# KiCad board 75he.kicad_pcb (continued)
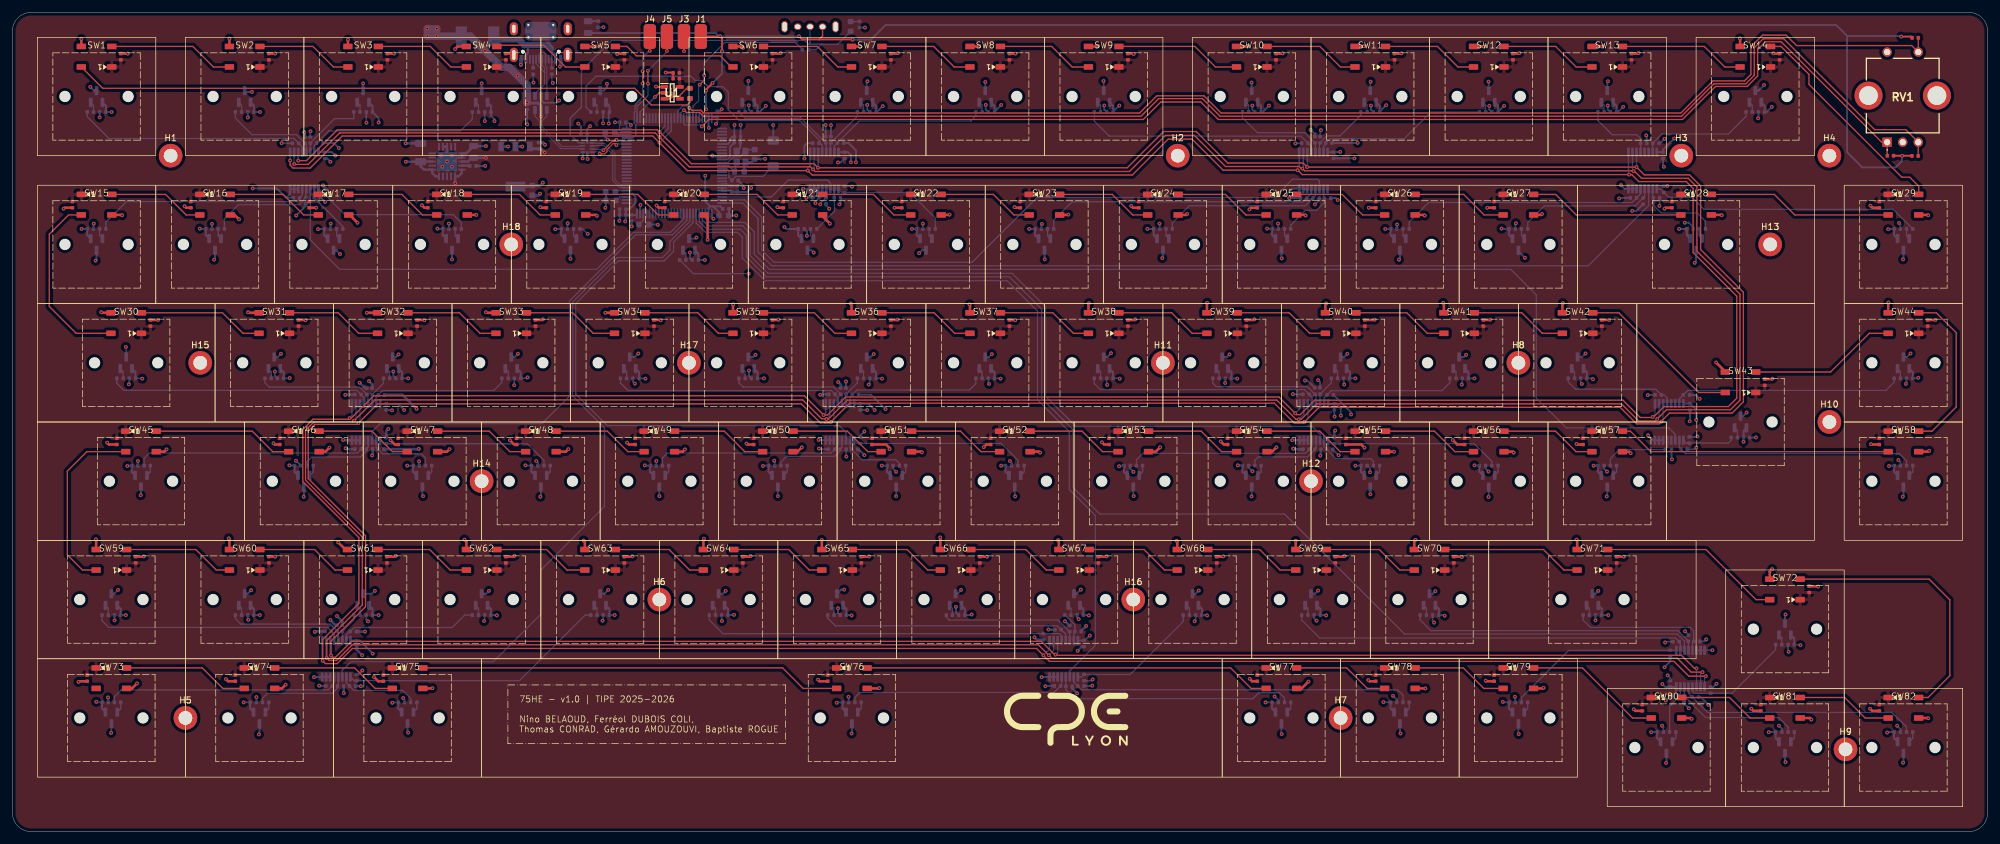
[diagram p0: board, top side]
## Routing (per net, layer and track width the routed paths; a pad name or vN(x,y) marks a point on that pad's centre or on a via; arc(x,y) is an arc through that point) (continued)
  Bottom w0.4: C197.1 65.62,107.07 66.16,106.53 U5.1 67.5,105.97 68.02,105.45 U5.20 ; C197.1 v1(63.24,107.8) ; C197.1 65.66,107.83 U5.3 ; 65.39,107.83 65.38,107.85
+5V: length 40.9
  Bottom w0.4: v1(76.12,108.43) C198.1 73.85,108.43 ; U5.13 73.25,107.83 73.85,108.43 ; v1(71.17,104.34) U5.16 71.73,105.45 72.25,105.97 U5.15 ; 73.85,108.43 74.67,108.43
  Bottom w0.5: C21.1 82.77,117.24 84.51,117.24 84.96,116.79 U4.5 ; U6.3 83.55,109.88 C200.1 84.98,109.88 v1(85.58,109.29)
  Bottom w0.6: v1(84.97,115.06) 84.96,115.07 U4.5
  Bottom w1.2: 82.75,117.29 v1(82.75,117.34) 82.75,120.11 v1(81.22,121.64) 79.88,122.99 78.62,122.99 v1(75.97,125.64) 73.6,128.01 F1.1 v1(68.19,128.01) ; v1(68.19,128.01) 66.71,128.01 v1(66.7,128.01) v1(66.7,129.23) 66.72,129.21 v1(68.22,129.21) 68.19,129.18 v1(68.19,128.01)
/MCU/V12PHYHS: length 1.9
  Bottom w0.2: C15.1 97.12,103.14 U2.55
GND: length 724.1
  Top w0.2: v1(107.98,125.59) J3.1
  Top w0.3: v1(103.48,119.89) 103.52,119.84 U1.1 ; v1(105.02,122.15) 106.17,122.15 C11.2 C10.2 ; U1.3 105.73,117.94 106.02,118.24 v1(106.02,118.74)
  Top w0.4: v1(20.03,23.84) 19.22,23.04 D73.3 ; v1(208.38,24.14) 207.28,23.04 D77.3 ; v1(50.97,61.79) 50.33,61.14 D46.3 ; C261.2 232.3,62.29 v1(231.57,63.01) ; D5.3 93.76,126.35 v1(93.77,126.34) ; v1(225.58,46.94) 225.39,46.75 D70.3 ; v1(207.92,99.15) 207.83,99.24 D25.3 ; 58.7,83.49 v1(56.97,83.49) ; v1(65.83,100.79) 66.22,100.39 C233.2 ; D30.3 14.38,83.49 v1(14.28,83.59) ; C283.2 85.17,82.34 v1(85.27,82.44) ; v1(198.88,100.12) 199.15,100.39 C227.2 ; D36.3 134.9,84.86 v1(134.78,84.99) ; C263.2 61.47,44.24 v1(61.62,44.39) ; v1(139.38,23.09) 139.33,23.04 D76.3 ; C255.2 21.07,44.24 v1(21.13,44.29) ; D49.3 107.76,61.14 v1(108.12,61.5) ; v1(84.88,100.49) 84.97,100.39 C232.2 ; v1(308.18,61.29) 308.03,61.14 D58.3 ; v1(142.33,82.39) 142.28,82.34 C275.2 ; v1(13.43,47.04) 13.46,47.01 D59.3 ; D72.3 282.54,41.85 v1(282.93,42.24) ; C234.2 v1(48.83,100.39) ; v1(233.03,44.19) 232.98,44.24 C272.2 ; C274.2 123.12,82.34 v1(123.17,82.39) ; C247.2 99.62,44.24 v1(99.67,44.29) ; C243.2 8.38,100.39 v1(8.22,100.24) ; v1(273.93,75.49) 275.39,74.02 D43.3 ; D15.3 17.57,99.24 v1(17.63,99.19) ; D11.3 217.24,126.35 v1(217.28,126.39) ; C218.2 260.94,19.42 v1(260.68,19.69) ; v1(194.28,62.79) 194.78,62.29 C258.2 ; v1(24.78,61.51) 24.4,61.14 D45.3 ; v1(76.12,83.59) 76.22,83.49 D33.3 ; v1(265.62,100.24) 265.78,100.39 C249.2 ; v1(150.68,99.29) 150.62,99.24 D22.3 ; v1(53.94,127.44) D3.3 ; C238.2 194.62,44.24 v1(194.68,44.29) ; C217.2 279.92,19.42 v1(279.57,19.77) ; v1(175.18,62.64) 175.53,62.29 C250.2 ; C256.2 299.07,100.39 v1(298.73,100.73) ; D67.3 168.24,46.77 v1(168.12,46.89) ; C262.2 137.68,44.24 v1(137.73,44.29) ; v1(246.18,23.14) 246.07,23.04 D79.3 ; C277.2 180.43,82.34 v1(180.53,82.44) ; D23.3 169.73,99.24 v1(169.78,99.29) ; C251.2 140.47,62.29 141.03,61.73 v1(141.03,61.54) ; v1(36.42,98.54) 35.72,99.24 D16.3 ; v1(155.43,126.44) 155.34,126.35 D8.3 ; v1(58.12,24.88) 58.82,24.19 C224.2 ; v1(126.92,61.84) 126.23,61.14 D50.3 ; v1(41.97,62.49) 42.17,62.29 C260.2 ; D26.3 226.98,99.24 v1(227.08,99.14) ; C214.2 251.57,62.29 v1(251.48,62.39) ; J2.S1 80.41,125.2 C205.2 ; C245.2 156.58,62.29 v1(156.18,61.88) ; v1(308.03,99.19) 307.98,99.24 D29.3 ; C278.2 199.58,82.34 v1(199.68,82.44) ; C237.2 15.53,62.29 v1(15.22,62.59) ; v1(123.52,125.29) 123.44,125.2 C207.2 ; D10.3 198.49,126.35 v1(198.53,126.39) ; v1(103.57,100.75) 103.93,100.39 C231.2 ; v1(241.38,60.99) 241.23,61.14 D56.3 ; D75.3 67.47,23.04 v1(67.52,23.09) ; v1(118.02,62.44) 118.17,62.29 C259.2 ; C225.2 129.78,24.19 v1(129.53,24.44) ; D37.3 153.95,84.76 v1(153.88,84.84) ; v1(42.24,125.21) 42.24,125.2 C203.2 ; v1(301.62,85.14) 301.59,85.1 D44.3 ; v1(34.89,127.6) D2.3 ; v1(47.12,82.29) 47.08,82.34 C281.2 ; D47.3 69.88,61.14 v1(70.27,61.54) ; v1(236.88,24.29) 236.98,24.19 C219.2 ; v1(198.93,24.59) 199.33,24.19 C222.2 ; v1(260.18,60.89) 259.93,61.14 D57.3 ; v1(179.88,100.69) 180.18,100.39 C228.2 ; D48.3 88.97,61.14 v1(89.38,61.54) ; v1(130.12,46.94) 130.14,46.92 D65.3 ; v1(184.53,61.84) 183.83,61.14 D53.3 ; v1(131.43,97.84) 130.28,98.99 D21.3 ; v1(174.53,126.44) 174.44,126.35 D9.3 ; v1(97.22,125.14) 97.29,125.2 C206.2 ; v1(161.12,100.49) 161.23,100.39 C220.2 ; C244.2 80.68,62.29 v1(79.97,62.99) ; v1(180.28,125.14) 180.21,125.2 C210.2 ; C211.2 204.19,125.2 v1(204.23,125.24) ; v1(261.43,125.29) 261.34,125.2 C266.2 ; v1(309.18,82.34) C241.2 ; C253.2 216.88,62.29 v1(217.38,61.79) ; D19.3 93.83,99.24 v1(93.97,99.09) ; D4.3 71.59,126.35 v1(71.17,125.94) ; C270.2 290.29,39.47 v1(290.32,39.44) ; C276.2 161.18,82.34 v1(161.23,82.29) ; v1(43.92,23.64) 43.33,23.04 D74.3 ; D7.3 136.26,126.35 v1(136.28,126.34) ; v1(104.23,82.29) 104.17,82.34 C273.2 ; v1(52.38,46.54) 53.52,45.39 D61.3 ; v1(214.18,44.34) 214.08,44.24 C265.2 ; v1(165.23,60.99) 165.08,61.14 D52.3 ; v1(91.83,46.84) 92.04,46.62 D63.3 ; D71.3 251.58,46.88 v1(251.48,46.99) ; D38.3 173,84.96 v1(173.08,85.04) ; C271.2 v1(259.07,44.24) ; C236.2 99.12,62.29 v1(98.83,62.59) ; v1(188.88,99.39) 188.73,99.24 D24.3 ; v1(60.77,62.99) 61.48,62.29 C252.2 ; D6.3 117.25,126.35 v1(117.48,126.12) ; D20.3 111.77,98.69 v1(111.77,95.24) ; v1(34.33,24.54) 34.67,24.19 C223.2 ; D31.3 37.97,83.49 v1(37.88,83.59) ; v1(72.67,46.99) 72.99,46.67 D62.3 ; D42.3 249.2,84.96 v1(249.28,85.04) ; D68.3 187.29,46.67 v1(187.18,46.79) ; v1(111.17,47.14) 111.09,47.05 D64.3 ; D40.3 211.1,84.86 v1(211.23,84.99) ; v1(255.57,126.35) D13.3 ; C221.2 218.18,24.19 v1(217.98,24.39) ; C248.2 80.58,44.24 v1(80.72,44.39) ; v1(237.62,82.39) 237.57,82.34 C279.2 ; v1(146.23,61.04) 146.12,61.14 D51.3 ; v1(289.23,18.04) 288.99,18.27 D81.3 ; v1(10.63,24.09) 10.72,24.19 C264.2 ; v1(142.38,125.29) 142.29,125.2 C208.2 ; v1(27.68,100.64) 27.93,100.39 C242.2 ; v1(277.73,127.64) 277.78,127.59 D14.3 ; v1(236.57,126.34) 236.56,126.35 D12.3 ; D34.3 v1(95.33,83.49) ; D80.3 269.84,18.27 v1(269.98,18.14) ; C268.2 v1(256.73,82.34) ; v1(206.33,46.79) 206.34,46.77 D69.3 ; v1(66.22,82.29) 66.17,82.34 C282.2 ; v1(149.18,47.34) 149.19,47.32 D66.3 ; v1(308.03,18.24) 307.99,18.27 D82.3 ; v1(18.54,125.2) C202.2 ; D17.3 54.22,99.24 v1(55.47,97.99) ; v1(34.78,47.19) 34.89,47.07 D60.3 ; v1(283.12,125.24) 283.16,125.2 C267.2 ; C216.2 299.02,19.42 v1(298.68,19.77) ; 230.15,83.49 230.15,84.96 v1(230.03,85.09) ; v1(298.82,62.34) 298.88,62.29 C215.2 ; D1.3 v1(11.07,127.55) ; C235.2 218.98,82.34 v1(219.03,82.39) ; v1(274.82,99.19) 274.78,99.24 D28.3 ; C226.2 v1(218.08,100.39) ; C280.2 v1(23.43,82.34) ; v1(61.34,125.2) C204.2 ; D39.3 192.05,85.06 v1(192.08,85.09) ; C246.2 175.88,44.24 v1(175.93,44.29) ; C229.2 v1(141.83,100.39) ; v1(161.28,125.19) 161.26,125.2 C209.2 ; D55.3 v1(222.12,61.14) ; C254.2 v1(156.68,44.24) ; v1(223.33,125.24) 223.29,125.2 C212.2 ; v1(203.23,61.84) 202.53,61.14 D54.3 ; v1(122.98,100.49) 123.08,100.39 C230.2 ; v1(115.87,84.84) 115.85,84.81 D35.3 ; v1(242.28,125.29) 242.19,125.2 C213.2 ; C239.2 118.58,44.24 v1(118.67,44.34) ; v1(282.98,72.89) 282.9,72.81 C269.2 ; D78.3 v1(227.18,23.04) ; C240.2 v1(42.22,44.24) ; v1(245.93,99.39) 245.78,99.24 D27.3 ; C257.2 v1(237.12,100.39) ; D18.3 v1(74.58,99.24)
  Bottom w0.2: R7.1 86.72,120.64 v1(86.88,120.49) ; U2.74 97.91,112.64 97.62,112.93 C5.2 ; 50.96,25.05 50.96,25.05 ; 207.59,103.33 207.59,103.52 207.67,103.52 ; v1(83.77,120.54) 83.72,120.59 R8.1 ; 55.74,63.16 55.74,63.11 ; 261.07,102.94 261.08,102.94
  Bottom w0.3: K36.3 138.01,76.37 v1(138.48,76.84) ; v1(243.18,92.34) 242.12,93.39 K27.3 ; C110.1 215.23,67.45 v1(215.23,67.14) ; C27.1 237.45,116.21 v1(237.45,116.78) ; v1(37.92,34.09) 37.84,34.17 C90.1 ; 32.17,97.89 v1(32.08,97.79) C155.1 ; K60.3 37.81,38.27 v1(38.38,38.84) ; v1(118.42,74.19) 118.42,73.31 C137.1 ; v1(265.82,21.09) 266.6,21.86 C183.1 ; v1(16.97,38.89) 16.36,38.27 K59.3 ; K35.3 119.11,76.37 v1(119.48,76.74) ; C136.1 303.54,97.72 v1(303.32,97.94) ; v1(47.92,112.69) 47.89,112.66 C32.1 ; v1(136.98,60.59) 136.05,61.52 C128.1 ; C47.1 209.42,112.25 v1(208.73,112.94) ; K39.3 195.26,76.37 v1(195.68,76.79) ; C175.1 241.62,97.79 v1(241.73,97.89) ; v1(204.08,92.24) 204.03,92.29 K25.3 ; C287.2 212.54,66.83 v1(212.58,66.79) ; C8.2 115.2,99.18 C3.2 v1(116.37,99.14) ; v1(49.95,103.98) 50.34,103.59 C63.1 ; C40.1 165.43,97.69 v1(165.53,97.79) ; v1(90.97,113.94) 91.4,113.51 C18.1 ; K33.3 80.76,76.37 v1(81.27,76.89) ; C19.2 103.73,97.69 v1(103.77,97.64) ; K6.3 118.3,120.76 v1(118.33,120.79) ; C92.1 v1(70.17,97.84) ; C54.1 256.5,116.21 v1(256.5,116.84) ; v1(127.73,95.89) 127.73,96.58 C57.1 ; v1(285.07,11.19) 284.99,11.27 K81.3 ; v1(42.19,74.04) 42.19,73.35 C74.1 ; v1(207.83,72.59) 208.2,72.59 C100.1 ; v1(100.97,100.84) 100.92,100.79 U2.49 ; v1(262.93,70.24) 262.97,70.28 C111.1 ; C152.1 179.71,58.4 v1(180.23,57.89) ; C286.2 265.38,107.13 v1(265.53,106.99) ; v1(270.73,61.79) 270.47,61.53 C143.1 ; v1(15.38,21.59) 15.41,21.56 C108.1 ; C78.1 212.78,101.94 v1(213.08,101.64) ; C21.2 82.75,115.76 82.75,115.76 v1(82.75,113.82) ; K37.3 157.01,76.37 v1(157.48,76.84) ; v1(285.57,28.94) 285.49,29.02 C103.1 ; v1(260.43,99.89) 261.09,99.89 C80.1 ; C4.2 99.52,97.44 v1(99.58,97.39) ; K68.3 190.21,38.27 v1(190.73,38.79) ; C161.1 173.48,24.29 v1(173.68,24.49) ; v1(46.92,112.54) 47.03,112.43 C31.1 ; v1(84.22,59.64) 84.46,59.4 C156.1 ; v1(16.43,33.99) 16.41,34.01 C119.1 ; v1(303.98,11.09) 304.04,11.15 K82.3 ; C126.1 129.79,61.53 v1(129.68,61.64) ; v1(131.61,113.68) C36.1 ; v1(228.78,38.69) 228.36,38.27 K70.3 ; K5.3 95.08,119.24 95.58,119.75 v1(95.58,120.34) ; K18.3 v1(70.67,92.09) ; K23.3 165.93,92.14 v1(165.98,92.09) ; C62.1 49.59,102.02 v1(50.27,101.34) ; v1(121.01,108.28) 120.36,108.28 120.27,108.18 C16.2 118.88,107.74 X1.2 117.65,107.54 C17.2 ; M4.6 M4.8 263.79,62.97 v1(262.98,63.79) ; C164.1 272,30.62 v1(272.32,30.94) ; v1(266.12,25.14) 266.55,24.72 C289.2 ; v1(303.03,17.04) 303.54,16.52 C77.1 ; v1(134.98,103.79) 134.9,103.87 C67.1 ; v1(92.47,108.24) 92.42,108.29 U3.5 ; v1(190.08,33.84) 190.24,34 C135.1 ; K30.3 18.29,77.92 v1(18.22,77.99) ; v1(268.88,97.99) 269.51,97.99 270.2,97.3 C177.1 ; C66.1 133.14,101.11 v1(132.98,100.94) ; v1(214.12,71.94) 214.05,72.01 C125.1 ; C39.1 18.79,72.05 v1(18.72,71.99) ; v1(96.88,114.14) C5.2 ; K9.3 175.45,120.76 v1(175.43,120.79) ; v1(305.18,76.94) 304.61,76.37 K44.3 ; 44.02,102 42.5,103.51 v1(38.64,103.51) ; 44.02,102 44.65,102.63 M11.8 M11.6 ; 44.02,102 C52.1 ; v1(256.53,120.74) 256.41,120.62 K13.3 ; C35.1 130.76,112.61 130.75,112.62 v1(130.75,113.71) ; C184.1 268.74,20.63 v1(269.53,19.84) ; v1(51.17,97.84) 51.12,97.79 C173.1 ; v1(176.62,76.99) 176.01,76.37 K38.3 ; v1(97.58,98.29) 97.62,98.34 C13.2 C12.2 ; K40.3 214.11,76.37 v1(214.62,76.89) ; U2.99 111.92,113.29 v1(111.98,113.24) ; U3.6 91.7,108.36 v1(91.67,108.34) ; K11.3 218.31,120.62 v1(218.38,120.69) ; C23.1 203.53,97.79 v1(203.48,97.84) ; v1(136.98,64.39) 136.34,63.75 C129.1 ; v1(65.38,59.59) 65.41,59.55 C167.1 ; v1(269.68,66.04) 269.72,66.08 C295.2 ; v1(173.62,23.49) 173.58,23.44 C181.1 ; C65.1 130.81,100.75 v1(131.33,100.24) ; v1(145.78,93.09) 146.24,93.55 K22.3 ; v1(281.62,120.14) 280.73,119.24 K14.3 ; v1(129.62,63.04) 129.69,62.97 M8.6 ; v1(118.39,116.88) 118.39,116.21 C43.1 ; v1(75.83,33.89) 75.94,34 C93.1 ; C101.1 210.24,72.33 v1(209.93,72.64) ; v1(117.08,113.71) C6.2 117.02,111.74 C7.2 117.02,110.06 X1.4 ; C107.1 175.95,71.96 v1(176.03,71.89) ; C118.1 241.62,21.64 v1(241.57,21.69) ; K20.3 109.8,95.42 v1(109.98,95.6) ; K31.3 42.66,76.37 v1(43.17,76.89) ; v1(237.32,53.84) 237.36,53.87 K56.3 ; v1(38.5,119.03) 37.55,119.03 K2.3 ; v1(278.82,67.44) 278.24,66.85 K43.3 ; K1.3 13.13,119.24 v1(12.53,119.84) ; K16.3 32.58,92.19 v1(32.42,92.04) ; v1(242.18,15.69) 242.12,15.74 K79.3 ; v1(161.23,53.94) 161.16,54 K52.3 ; v1(256.38,57.94) 255.91,58.4 C124.1 ; v1(108.92,93.19) 108.92,92.34 C76.1 ; v1(184.88,92.29) 184.98,92.39 K24.3 ; v1(284.03,17.04) 284.49,16.57 C104.1 ; v1(151.69,36.16) 151.69,35.29 C55.1 ; v1(280.32,63.44) 280.3,63.41 C89.1 ; v1(218.28,57.84) 218.28,58.42 C87.1 ; C172.1 198.76,58.6 v1(199.38,57.99) ; v1(266.82,59.89) 266.74,59.98 C142.1 ; v1(39.62,15.64) 39.72,15.73 K74.3 ; C185.1 271.43,21.64 v1(272.68,20.39) ; v1(134.08,60.34) 134.05,60.37 C127.1 ; C88.1 20.17,59.63 v1(20.18,59.64) ; v1(268.93,32.24) 269.44,31.72 C163.1 ; C150.1 94.99,34.05 v1(94.88,33.94) ; K76.3 134.97,15.83 v1(134.93,15.79) ; v1(303.98,92.09) 304.04,92.15 K29.3 ; v1(266.06,103.89) 266.04,103.86 C82.1 ; K34.3 100.06,76.37 v1(100.62,76.94) ; v1(228.58,33.64) 228.34,33.87 C105.1 ; C34.1 127.77,110.79 127.33,110.35 v1(127.33,108.33) ; v1(265.88,11.04) 265.94,11.1 K80.3 ; C132.1 212.3,61.51 v1(213.23,60.58) ; v1(104.02,53.99) 104.01,54 K49.3 ; v1(265.62,26.44) 266.55,27.36 C182.1 ; C42.1 56.89,114.1 v1(56.91,114.08) ; C140.1 103.51,59.62 v1(103.52,59.64) ; v1(95.77,38.89) 95.16,38.27 K63.3 ; C75.1 89.22,97.84 v1(89.27,97.89) ; v1(134.43,21.69) 134.47,21.64 C45.1 ; v1(180.28,53.99) 180.21,54.05 K53.3 ; C112.1 270.85,63.52 v1(270.93,63.59) ; C25.1 137.44,116.21 v1(137.44,116.94) ; v1(142.08,57.89) 141.61,58.35 C138.1 ; v1(204.08,15.69) 204.03,15.74 K77.3 ; K72.3 284.99,34.85 v1(285.07,34.94) ; C29.1 304.54,72.15 v1(304.43,72.04) ; C102.1 132.73,35.2 v1(132.73,35.94) ; v1(137.43,67.84) 137.41,67.85 C293.2 ; v1(199.35,116.83) 199.35,116.21 C44.1 ; K46.3 46.86,53.92 v1(46.83,53.89) ; v1(237.32,57.94) 236.86,58.4 C170.1 ; C56.1 280.73,114.84 v1(280.68,114.79) ; K41.3 233.36,76.37 v1(233.73,76.74) ; C48.1 210.26,112.77 v1(210.38,112.89) ; v1(204.73,102.44) 205.74,103.46 M2.8 208.19,103.46 ; v1(264.81,100.69) 264.85,100.73 264.85,101.99 C81.1 ; v1(184.43,97.84) 184.48,97.79 C41.1 ; v1(237.32,120.69) 237.36,120.65 K12.3 ; C58.1 v1(146.38,97.84) ; C9.2 113.73,115.94 v1(114.02,116.24) ; v1(51.12,107.79) 50.57,108.34 C292.2 ; v1(75.44,120.41) 75.44,119.24 K4.3 ; C139.1 137.85,72.11 v1(137.68,71.94) ; C284.2 133.17,107.69 v1(132.75,107.69) ; v1(160.38,59.64) 160.66,59.35 C154.1 ; C71.1 218.43,116.19 v1(218.43,116.84) ; v1(156.49,116.94) 156.49,116.21 C26.1 ; v1(62.83,21.49) 63.03,21.28 C86.1 ; v1(87.88,117.65) 87.52,117.29 85.41,117.29 84.96,117.74 U4.2 ; v1(209.43,100.94) 210.1,101.62 C69.1 ; C22.1 222.58,97.64 v1(222.62,97.69) ; C165.1 273.45,23.27 v1(273.98,23.79) ; v1(175.54,116.84) 175.54,116.21 C70.1 ; v1(127.62,101.99) 127.65,102.02 C64.1 ; v1(39.22,21.64) 39.22,21.63 C122.1 ; C171.1 80.7,71.86 v1(80.67,71.84) ; K42.3 252.36,76.37 v1(252.93,76.94) ; C28.1 252.15,72.21 v1(252.32,72.04) ; K67.3 171.11,38.27 v1(171.78,38.94) ; C153.1 156.9,72.16 v1(157.03,72.04) ; SW_RESET1.1 122.33,113.69 v1(122.31,113.7) ; C79.1 258.42,101.98 v1(258.32,101.89) ; K73.3 15.91,15.92 v1(15.88,15.89) ; C176.1 46.36,58.9 v1(45.58,59.68) ; v1(127.12,103.44) 127.14,103.46 M1.8 M1.6 ; R91.2 v1(95.02,129.44) ; C106.1 265.44,16.82 v1(265.23,17.04) ; K17.3 52.06,93.55 v1(52.67,92.94) ; v1(233.03,71.94) 233.1,72.01 C109.1 ; K61.3 57.81,38.27 v1(58.27,38.74) ; v1(206.28,110.74) 206.31,110.78 C46.1 ; K28.3 270.7,91.76 v1(270.48,91.54) ; v1(61.24,74.04) 61.24,73.35 C91.1 ; v1(156.43,120.64) 156.4,120.61 K8.3 ; v1(205.88,70.39) 205.91,70.36 C99.1 ; v1(258.62,104.04) 259.21,103.46 M3.8 M3.6 ; C51.1 264.92,110.78 v1(265.62,111.49) ; K32.3 61.66,76.37 v1(62.08,76.79) ; v1(265.73,30.44) 265.84,30.55 C162.1 ; v1(57.17,33.84) 56.89,34.12 C59.1 ; v1(205.29,101.94) 205.31,101.96 C68.1 ; v1(66.02,53.99) 65.91,54.1 K47.3 ; C120.1 203.53,21.14 v1(202.93,21.74) ; v1(133.73,38.94) 133.25,38.94 K65.3 ; v1(222.93,92.04) 223.08,92.19 K26.3 ; v1(271.28,69.64) 270.65,70.27 C113.1 ; v1(221.98,21.84) 222.58,21.24 C134.1 ; v1(303.93,53.89) 304.04,54 K58.3 ; K62.3 76.16,38.27 v1(76.62,38.74) ; v1(171.43,34.19) 171.19,34.42 C73.1 ; v1(209.93,38.79) 209.41,38.27 K69.3 ; C33.1 51.64,110.82 v1(52.47,109.99) ; U2.10 112.67,108.64 v1(112.52,108.79) ; v1(199.23,53.94) 199.26,53.97 K54.3 ; v1(100.08,72.09) 99.75,72.41 C151.1 ; v1(122.48,59.69) 122.56,59.6 C174.1 ; v1(216.28,110.84) C49.1 ; K3.3 56.38,119.24 v1(56.38,120.4) ; K57.3 256.41,54.02 v1(256.32,53.94) ; v1(114.67,38.74) 114.21,38.27 K64.3 ; v1(43.27,110.79) 43.3,110.77 C30.1 ; K19.3 v1(89.72,92.19) ; v1(303.23,59.79) 303.54,59.47 C166.1 ; v1(13.07,97.84) 13.03,97.79 C157.1 ; C20.2 95.28,111.79 v1(95.72,111.35) ; v1(84.88,53.89) 84.96,53.97 K48.3 ; v1(223.18,15.79) 223.08,15.89 K78.3 ; v1(112.7,98.63) 112.42,98.9 U2.26 ; v1(254.53,33.99) 254.53,33.99 C72.1 ; v1(135.62,107.72) 135.62,109.62 134.42,110.83 C37.1 ; K45.3 20.67,54.18 v1(20.63,54.14) ; C60.1 75.94,114.66 75.94,114.65 v1(75.94,114.34) ; C15.2 95.43,102.87 95.43,100.49 v1(95.33,100.39) ; C38.1 114.04,33.92 v1(114.08,33.89) ; K7.3 137.35,120.61 v1(137.48,120.74) ; v1(13.38,91.89) 13.53,92.04 K15.3 ; v1(128.83,93.19) 128.46,93.55 K21.3 ; U2.19 115.01,104.14 115.21,103.94 C1.2 C2.2 117.23,103.94 v1(117.58,103.58) 117.58,103.88 C14.2 116.67,104.64 ; v1(142.08,53.99) 142.11,54.02 K51.3 ; C50.1 262.77,111.94 v1(262.68,112.04) ; K75.3 63.53,16.03 v1(63.62,15.94) ; K71.3 254.51,38.27 v1(254.98,38.74) ; C123.1 195,72.22 v1(194.98,72.2) ; v1(45.62,99.14) 47.17,100.69 C53.1 ; v1(94.97,113.98) 94.97,114.98 94.99,115 C61.1 ; v1(152.53,38.89) 151.91,38.27 K66.3 ; v1(218.33,54.29) 218.31,54.3 K55.3 ; v1(140.38,67.99) 138.06,70.3 C98.1 ; v1(37.83,114.93) 37.84,114.93 C24.1 ; v1(123.08,53.99) 123.06,54 K50.3 ; K10.3 199.26,120.5 v1(199.23,120.54) ; v1(165.48,24.84) 165.51,24.87 M7.8 M7.6 ; C179.1 166.12,23.43 v1(166.08,23.39) ; R2.2 v1(137.08,129.39) ; C285.2 v1(215.78,108.34) ; v1(209.68,33.94) 209.29,34.32 C121.1 ; v1(273.32,29.19) 273.3,29.17 M6.8 M6.6 ; v1(14.03,114.94) C141.1
  Bottom w0.4: C169.1 53.26,22.3 v1(53.27,22.29) ; v1(76.02,107.12) 76,107.13 C201.2 ; C146.1 53.05,33.82 v1(52.17,34.69) ; v1(129.88,70.29) 129.96,70.37 C95.1 ; C290.2 60.96,67.85 v1(61.02,67.79) ; v1(48.62,32.14) 48.69,32.21 C144.1 ; v1(212.68,64.54) 212.53,64.39 C133.1 ; C130.1 206.05,61.52 v1(205.93,61.64) ; C291.2 171.95,29.76 v1(171.28,29.09) ; C84.1 56.74,71.33 v1(55.83,72.24) ; C96.1 133.15,71.97 v1(132.78,72.34) ; v1(49.33,23.49) 49.38,23.43 C168.1 ; v1(48.47,24.84) 48.51,24.87 M9.8 M9.6 ; C148.1 55.62,25.29 v1(56.26,25.92) ; C149.1 164.73,30.86 v1(164.33,31.27) ; M10.6 M10.8 53.24,62.97 v1(53.17,63.04) ; 69.58,110.2 69.88,109.9 U5.21 ; 69.58,110.2 U5.7 ; 69.58,110.2 U5.8 ; C114.1 53.7,61.56 v1(53.58,61.69) ; v1(51.12,34.04) 51.96,33.21 C145.1 ; C131.1 210.38,60.59 v1(210.28,60.49) ; U5.21 70.53,108.48 U5.12 U5.11 72.95,109.13 C198.2 76.11,110.33 v1(76.12,110.32) ; U5.21 v1(69.86,107.84) ; C147.1 v1(56.67,32.19) ; v1(57.33,72.49) 57.83,71.98 C85.1 ; v1(172.62,33.09) 171.83,32.29 C160.1 ; v1(171.18,22.24) 170.39,23.03 C180.1 ; v1(56.22,28.39) 55.33,29.28 C288.2 ; v1(60.42,64.79) 60.11,64.48 C117.1 ; v1(169.23,33.84) 169.89,33.18 C159.1 ; v1(65.33,61.59) 65.28,61.55 C116.1 ; v1(53.52,70.29) 53.56,70.33 C83.1 ; C158.1 166.62,32.48 v1(166.58,32.52) ; C115.1 57.9,60.62 v1(57.83,60.54) ; C197.2 v1(63.22,110.76) ; v1(64.97,68.04) 62.73,70.28 C94.1 ; C178.1 55.98,23.43 v1(56.02,23.39) ; C97.1 v1(134.03,72.44) ; M5.6 M5.8 205.79,62.97 v1(205.78,62.99)
  Bottom w0.5: v1(85.62,110.54) 85.28,110.88 C200.2 ; C199.2 84.59,102.4 v1(84.83,102.64) ; v1(79.67,110.24) 79.66,110.25 U6.1
  Bottom w0.6: v1(81.75,123.41) J2.B12A1 ; 88.15,124.31 88.15,123.26 v1(88.01,123.12)
  vias: v1(68.92,108.79) v1(69.12,106.99) v1(70.67,108.79) v1(70.67,106.99)
VBUS: length 14.4
  Bottom w0.3: J2.B9A4 82.55,125.01 82.88,125.33 82.88,126.57 ; 86.6,126.01 86.6,125.76 87.35,125.01 87.35,124.31
  Bottom w1: F1.2 77.96,127.44 81.42,127.44 82.3,126.57 86.05,126.57 86.6,126.01
/LED/LED_DATA_OUT_1: length 35.4
  Top w0.2: D14.2 284.36,126.35 288.85,121.87 288.85,120.24 303.78,105.31 305.05,105.31 306.49,103.86 D29.4
/LED/LED_DATA_OUT_2: length 29.8
  Top w0.2: D15.2 9.03,99.24 5.93,96.14 5.93,84.51 10.25,80.19 D30.4
/LED/LED_DATA_OUT_3: length 27
  Top w0.2: D44.2 309.32,83.49 312.53,80.29 312.53,68.34 308.62,64.44 D58.4
/LED/LED_DATA_OUT_4: length 29.8
  Top w0.2: D45.2 11.96,61.14 8.82,58.01 8.82,44.54 11.28,42.09 D59.4
/LED/LED_DATA_OUT_5: length 44.1
  Top w0.2: D72.2 308.17,40.62 311.5,37.3 311.5,25.08 307.99,21.57 D82.4
/MCU/NRST: length 10.6
  Bottom w0.2: U2.14 114.93,106.64 115.2,106.37 115.2,105.26 C14.1 116.33,105.44 120.67,105.44 122.3,107.06 SW_RESET1.2
/MCU/OSC_IN: length 6.1
  Bottom w0.2: 119.33,109.74 118.11,109.74 X1.1 116.98,108.61 115.97,108.61 115.65,108.3 115.65,108.29 115,107.64 U2.12
/MCU/OSC_OUT: length 4
  Bottom w0.2: U2.13 115.17,107.14 C17.1 116.27,106.39 116.27,107.74
/MCU/REXTPHYHS: length 1.9
  Bottom w0.2: R4.2 97.64,102.14 U2.53
/MCU/USB_D+: length 10.9
  Bottom w0.158: U3.8 91.17,110.34 91.1,110.26 88.35,110.26 85.14,113.47 85.14,114.36 85.91,115.13 U4.4
/MCU/USB_D-: length 11.5
  Bottom w0.158: U3.7 91.17,109.84 91.1,109.91 88.2,109.91 84.78,113.32 84.78,114.36 84.01,115.13 U4.6
/MCU/USB_PLUG_D+: length 8.9
  Bottom w0.158: J2.A6 84.7,125.16 84.92,125.39 85.42,125.39 85.7,125.11 J2.B6 85.7,123.26 85.92,123.04 85.92,118.41 U4.3
/MCU/USB_PLUG_D-: length 9.7
  Bottom w0.158: J2.B7 84.2,123.56 85.57,122.19 85.57,121.94 ; 85.57,121.94 85.57,122.89 85.34,123.11 85.34,123.12 85.2,123.26 J2.A7 ; 85.57,121.94 85.57,120.28 84.01,118.72 U4.1
/MCU/VCAP_1: length 2.1
  Bottom w0.2: C19.1 101.42,98.39 U2.48
/MCU/VCAP_2: length 2
  Bottom w0.2: C20.1 97.17,112.14 U2.73
DFU_SW: length 65.4
  Bottom w0.2: SW_BOOT1.2 128.25,126.96 128,126.71 ; 128,126.71 130.11,126.71 ; 128,126.71 127.39,127.32 96.35,127.32 91.47,122.44 91.47,116.58 89.67,114.79 89.67,112.19 91.03,110.84 U3.9 ; 130.11,126.71 129.25,125.86 R1.1 ; 130.11,126.71 132.7,126.71 LED1.2
ENCODER_SW: length 214.9
  Top w0.2: R3.2 306.42,125.45 RV1.E1 305.37,126.49 286.86,126.49 285.19,128.17 281.38,128.17 279.5,126.29 279.5,121.84 278.47,120.8 273.42,120.8 268.26,115.65 194.34,115.65 191.58,118.41 184,118.41 181.24,115.65 111.12,115.65 110.7,116.08 109.22,116.08 v1(108.83,116.46)
  Bottom w0.2: v1(108.83,116.46) 108.54,116.76 107.79,116.76 106.98,115.95 106.98,114.81 U2.89 ; 306.43,125.45 RV1.E1
ENCODER_WAVE_1: length 213.9
  Top w0.2: v1(110.83,113.48) 111.95,114.6 181.81,114.6 184.59,117.37 184.59,117.41 191.06,117.41 193.88,114.6 268.5,114.6 273.82,119.92 278.92,119.92 280.59,121.59 280.59,125.83 281.85,127.1 284.38,127.1 300.54,110.94 RV1.A1 301.42,108.78 R5.2
  Bottom w0.2: v1(110.83,113.48) 110.61,113.71 108.14,113.71 107.92,113.93 U2.91
ENCODER_WAVE_2: length 219.7
  Top w0.2: v1(107.96,116.1) 108.34,115.73 110.49,115.73 111.11,115.12 181.45,115.12 184.29,117.96 191.34,117.96 194.18,115.12 268.36,115.12 273.59,120.35 278.69,120.35 280.06,121.71 280.06,126.15 281.5,127.59 284.79,127.59 299.42,112.96 304.41,112.96 RV1.B1 306.42,108.74 R6.2
  Bottom w0.2: v1(107.96,116.1) 107.88,116.1 107.42,115.65 U2.90
K1_OUT: length 38.2
  Bottom w0.2: M11.12 46.6,110.19 C30.2 45.25,111.54 15.53,111.54 12.03,115.04 R9.2
K2_OUT: length 15.4
  Bottom w0.2: M11.13 47.25,110.56 C31.2 45.66,112.15 38.52,112.15 35.84,114.82 R10.2
K3_OUT: length 11.2
  Bottom w0.2: M11.14 47.9,110.78 C32.2 47.89,110.84 51.78,114.73 54.89,114.73 R11.2
K4_OUT: length 29.4
  Bottom w0.2: M11.15 48.55,110.43 C33.2 50.88,112.76 72.02,112.76 73.94,114.67 R12.2
K5_OUT: length 50.7
  Bottom w0.2: R13.2 92.99,115.81 92.22,116.58 92.22,119.97 93.81,121.56 109.08,121.56 109.77,120.87 110.86,120.87 111.86,119.88 114.2,119.88 115.09,118.98 115.09,116.17 116.84,114.42 126.58,114.42 129.86,111.14 129.86,110.79 130.2,110.45 M1.12
K6_OUT: length 17.6
  Bottom w0.2: R14.2 117.75,114.85 126.74,114.85 C35.2 130.85,110.73 M1.13 130.84,109.34 ; 130.84,110.84 130.84,110.83
K7_OUT: length 8.3
  Bottom w0.2: M1.14 131.5,110.72 C36.2 131.61,110.89 135.85,115.14 R15.2
K8_OUT: length 26.4
  Bottom w0.2: R16.2 154.9,115.15 154.08,114.33 136.14,114.33 C37.2 132.15,110.34 M1.15
K9_OUT: length 39
  Bottom w0.2: M2.12 208.84,110.22 C46.2 207.14,111.92 176.34,111.92 176.34,111.94 173.95,114.32 R17.2
K10_OUT: length 15.8
  Bottom w0.2: M2.13 209.49,110.75 C47.2 207.8,112.45 200.2,112.45 197.76,114.88 R18.2
K11_OUT: length 10.5
  Bottom w0.2: R19.2 216.81,115.31 213.46,111.96 211.34,111.96 210.26,110.87 C48.2 210.14,110.71 M2.14
K12_OUT: length 28.4
  Bottom w0.2: R20.2 228.07,115.8 223.77,111.5 211.82,111.5 C49.2 211.16,110.63 210.79,110.27 M2.15
K13_OUT: length 11.6
  Bottom w0.2: M3.12 261.78,110.78 C50.2 261.78,111.52 261.16,112.14 257.22,112.14 254.91,114.44 R21.2
K14_OUT: length 18.9
  Bottom w0.2: M3.15 263.73,110.77 C51.2 265.21,112.25 275.88,112.25 278.73,115.09 R22.2
K15_OUT: length 35.8
  Bottom w0.2: R23.2 15.03,98.09 18.32,101.39 45.7,101.39 46.16,101.85 C52.2 46.6,102.43 M11.5 ; 46.31,102.24 46.31,102 ; 46.61,103.52 46.61,103.51
K16_OUT: length 17.6
  Bottom w0.2: R24.2 34.08,98.63 36.33,100.88 46.05,100.88 C53.2 47.17,103.38 M11.4
K17_OUT: length 8.4
  Bottom w0.2: M11.2 48.5,103.4 C62.2 53.12,97.39 R25.2
K18_OUT: length 26.2
  Bottom w0.2: M11.1 50.27,102.39 C63.2 53.45,99.29 70.86,99.29 72.17,97.97 R26.2
K19_OUT: length 43.3
  In2.Cu w0.2: v1(129.11,101.14) 129.11,100.67 124.62,96.19 92.5,96.19 v1(92.49,96.2)
  Bottom w0.2: R27.2 91.7,96.99 v1(92.49,96.2) ; M1.5 130.2,102.53 C64.2 129.11,101.44 v1(129.11,101.14)
